# KiCad board demomatrix.kicad_pcb (continued)
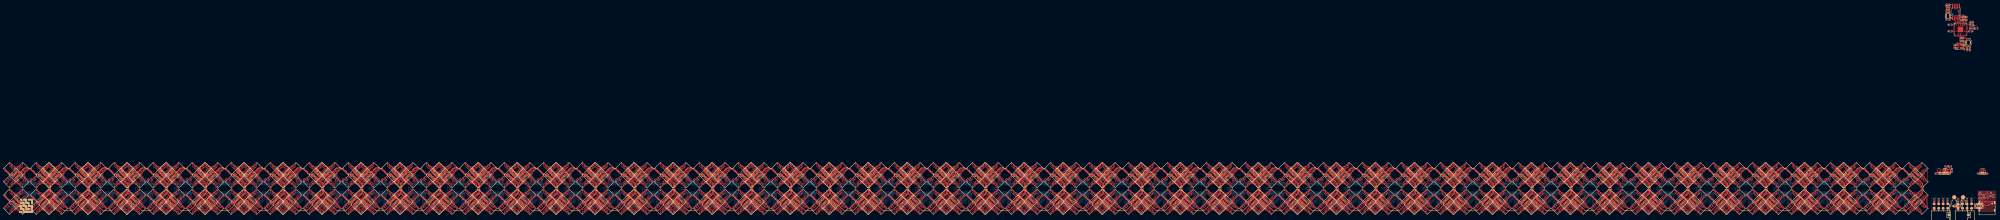
[diagram p0: board, top side]
## Routing (per net, layer and track width the routed paths; a pad name or vN(x,y) marks a point on that pad's centre or on a via; arc(x,y) is an arc through that point) (continued)
rgbs[3]-anodes-anode-53: length 12.8
  Top w0.2: LED199.1 -995.28,14.06 -995.28,14.1 -995.15,14.23 -995.22,14.31 -995.22,15.7 -997.37,17.85 -997.95,17.85 -998.64,17.17 -998.74,17.17 -999.43,17.85 -1000.01,17.85 -1000.8,17.06 -1000.8,17.05 -1000.86,16.99 -1000.86,16.99 -1002.16,15.7 -1002.16,14.12 LED200.2
rgbs[3]-anodes-anode-54: length 3.9
  Top w0.2: LED200.6 -1000.46,15.62 -999.26,15.62 -998.92,15.97 -998.46,15.97 -998.11,15.61 -997.12,15.61 LED199.5
rgbs[3]-anodes-anode-55: length 1.8
  Top w0.2: LED199.7 -997.9,16.53 -997.94,16.53 -998.11,16.37 -999.32,16.37 LED200.8
rgbs[3]-anodes-anode-56: length 9.5
  Top w0.2: LED203.3 -1011.13,-0.1 -1011.13,-0.07 -1010.98,0.08 -1010.98,0.89 -1012.54,2.45 -1012.79,2.45 -1013.47,1.77 -1013.91,1.77 -1014.59,2.45 -1014.84,2.45 -1015.4,1.89 -1015.4,1.88 -1015.69,1.59 -1015.7,1.59 -1016.43,0.87 -1016.43,0.08 LED204.4
rgbs[3]-anodes-anode-57: length 12.8
  Top w0.2: LED204.2 -1017.16,-0.88 -1017.16,0.7 -1015.86,1.99 -1015.86,1.99 -1015.8,2.05 -1015.8,2.06 -1015.01,2.85 -1014.43,2.85 -1013.74,2.17 -1013.64,2.17 -1012.95,2.85 -1012.37,2.85 -1010.22,0.7 -1010.22,-0.69 -1010.15,-0.77 -1010.28,-0.9 -1010.28,-0.94 LED203.1
rgbs[3]-anodes-anode-58: length 3.9
  Top w0.2: LED203.5 -1012.12,0.61 -1013.11,0.61 -1013.46,0.97 -1013.92,0.97 -1014.26,0.62 -1015.46,0.62 LED204.6
rgbs[3]-anodes-anode-59: length 1.8
  Top w0.2: LED204.8 -1014.32,1.37 -1013.11,1.37 -1012.94,1.53 -1012.9,1.53 LED203.7
rgbs[3]-anodes-anode-60: length 9.5
  Top w0.2: LED208.4 -1001.43,0.08 -1001.43,0.87 -1000.7,1.59 -1000.69,1.59 -1000.4,1.88 -1000.4,1.89 -999.84,2.45 -999.59,2.45 -998.91,1.77 -998.47,1.77 -997.79,2.45 -997.54,2.45 -995.98,0.89 -995.98,0.08 -996.13,-0.07 -996.13,-0.1 LED207.3
rgbs[3]-anodes-anode-61: length 12.8
  Top w0.2: LED207.1 -995.28,-0.94 -995.28,-0.9 -995.15,-0.77 -995.22,-0.69 -995.22,0.7 -997.37,2.85 -997.95,2.85 -998.64,2.17 -998.74,2.17 -999.43,2.85 -1000.01,2.85 -1000.8,2.06 -1000.8,2.05 -1000.86,1.99 -1000.86,1.99 -1002.16,0.7 -1002.16,-0.88 LED208.2
rgbs[3]-anodes-anode-62: length 3.9
  Top w0.2: LED208.6 -1000.46,0.62 -999.26,0.62 -998.92,0.97 -998.46,0.97 -998.11,0.61 -997.12,0.61 LED207.5
rgbs[3]-anodes-anode-63: length 1.8
  Top w0.2: LED208.8 -999.32,1.37 -998.11,1.37 -997.94,1.53 -997.9,1.53 LED207.7
rgbs[3]-anodes-anode-64: length 9.5
  Top w0.2: LED212.4 -994.43,15.08 -994.43,15.87 -993.7,16.59 -993.69,16.59 -993.4,16.88 -993.4,16.89 -992.84,17.45 -992.59,17.45 -991.91,16.77 -991.47,16.77 -990.79,17.45 -990.54,17.45 -988.98,15.89 -988.98,15.08 -989.13,14.93 -989.13,14.9 LED211.3
rgbs[3]-anodes-anode-65: length 12.8
  Top w0.2: LED211.1 -988.28,14.06 -988.28,14.1 -988.15,14.23 -988.22,14.31 -988.22,15.7 -990.37,17.85 -990.95,17.85 -991.64,17.17 -991.74,17.17 -992.43,17.85 -993.01,17.85 -993.8,17.06 -993.8,17.05 -993.86,16.99 -993.86,16.99 -995.16,15.7 -995.16,14.12 LED212.2
rgbs[3]-anodes-anode-66: length 3.9
  Top w0.2: LED211.5 -990.12,15.61 -991.11,15.61 -991.46,15.97 -991.92,15.97 -992.26,15.62 -993.46,15.62 LED212.6
rgbs[3]-anodes-anode-67: length 1.8
  Top w0.2: LED211.7 -990.9,16.53 -990.94,16.53 -991.11,16.37 -992.32,16.37 LED212.8
rgbs[3]-anodes-anode-68: length 9.5
  Top w0.2: LED215.3 -974.13,14.9 -974.13,14.93 -973.98,15.08 -973.98,15.89 -975.54,17.45 -975.79,17.45 -976.47,16.77 -976.91,16.77 -977.59,17.45 -977.84,17.45 -978.4,16.89 -978.4,16.88 -978.69,16.59 -978.7,16.59 -979.43,15.87 -979.43,15.08 LED216.4
rgbs[3]-anodes-anode-69: length 12.8
  Top w0.2: LED216.2 -980.16,14.12 -980.16,15.7 -978.86,16.99 -978.86,16.99 -978.8,17.05 -978.8,17.06 -978.01,17.85 -977.43,17.85 -976.74,17.17 -976.64,17.17 -975.95,17.85 -975.37,17.85 -973.22,15.7 -973.22,14.31 -973.15,14.23 -973.28,14.1 -973.28,14.06 LED215.1
rgbs[3]-anodes-anode-70: length 3.9
  Top w0.2: LED215.5 -975.12,15.61 -976.11,15.61 -976.46,15.97 -976.92,15.97 -977.26,15.62 -978.46,15.62 LED216.6
rgbs[3]-anodes-anode-71: length 1.8
  Top w0.2: LED215.7 -975.9,16.53 -975.94,16.53 -976.11,16.37 -977.32,16.37 LED216.8
rgbs[3]-anodes-anode-72: length 9.5
  Top w0.2: LED220.4 -994.43,0.08 -994.43,0.87 -993.7,1.59 -993.69,1.59 -993.4,1.88 -993.4,1.89 -992.84,2.45 -992.59,2.45 -991.91,1.77 -991.47,1.77 -990.79,2.45 -990.54,2.45 -988.98,0.89 -988.98,0.08 -989.13,-0.07 -989.13,-0.1 LED219.3
rgbs[3]-anodes-anode-73: length 12.8
  Top w0.2: LED220.2 -995.16,-0.88 -995.16,0.7 -993.86,1.99 -993.86,1.99 -993.8,2.05 -993.8,2.06 -993.01,2.85 -992.43,2.85 -991.74,2.17 -991.64,2.17 -990.95,2.85 -990.37,2.85 -988.22,0.7 -988.22,-0.69 -988.15,-0.77 -988.28,-0.9 -988.28,-0.94 LED219.1
rgbs[3]-anodes-anode-74: length 3.9
  Top w0.2: LED220.6 -993.46,0.62 -992.26,0.62 -991.92,0.97 -991.46,0.97 -991.11,0.61 -990.12,0.61 LED219.5
rgbs[3]-anodes-anode-75: length 1.8
  Top w0.2: LED219.7 -990.9,1.53 -990.94,1.53 -991.11,1.37 -992.32,1.37 LED220.8
rgbs[3]-anodes-anode-76: length 9.5
  Top w0.2: LED224.4 -979.43,0.08 -979.43,0.87 -978.7,1.59 -978.69,1.59 -978.4,1.88 -978.4,1.89 -977.84,2.45 -977.59,2.45 -976.91,1.77 -976.47,1.77 -975.79,2.45 -975.54,2.45 -973.98,0.89 -973.98,0.08 -974.13,-0.07 -974.13,-0.1 LED223.3
rgbs[3]-anodes-anode-77: length 12.8
  Top w0.2: LED223.1 -973.28,-0.94 -973.28,-0.9 -973.15,-0.77 -973.22,-0.69 -973.22,0.7 -975.37,2.85 -975.95,2.85 -976.64,2.17 -976.74,2.17 -977.43,2.85 -978.01,2.85 -978.8,2.06 -978.8,2.05 -978.86,1.99 -978.86,1.99 -980.16,0.7 -980.16,-0.88 LED224.2
rgbs[3]-anodes-anode-78: length 3.9
  Top w0.2: LED224.6 -978.46,0.62 -977.26,0.62 -976.92,0.97 -976.46,0.97 -976.11,0.61 -975.12,0.61 LED223.5
rgbs[3]-anodes-anode-79: length 1.8
  Top w0.2: LED224.8 -977.32,1.37 -976.11,1.37 -975.94,1.53 -975.9,1.53 LED223.7
rgbs[3]-anodes-anode-80: length 9.5
  Top w0.2: LED228.4 -972.43,15.08 -972.43,15.87 -971.7,16.59 -971.69,16.59 -971.4,16.88 -971.4,16.89 -970.84,17.45 -970.59,17.45 -969.91,16.77 -969.47,16.77 -968.79,17.45 -968.54,17.45 -966.98,15.89 -966.98,15.08 -967.13,14.93 -967.13,14.9 LED227.3
rgbs[3]-anodes-anode-81: length 12.8
  Top w0.2: LED228.2 -973.16,14.12 -973.16,15.7 -971.86,16.99 -971.86,16.99 -971.8,17.05 -971.8,17.06 -971.01,17.85 -970.43,17.85 -969.74,17.17 -969.64,17.17 -968.95,17.85 -968.37,17.85 -966.22,15.7 -966.22,14.31 -966.15,14.23 -966.28,14.1 -966.28,14.06 LED227.1
rgbs[3]-anodes-anode-82: length 3.9
  Top w0.2: LED228.6 -971.46,15.62 -970.26,15.62 -969.92,15.97 -969.46,15.97 -969.11,15.61 -968.12,15.61 LED227.5
rgbs[3]-anodes-anode-83: length 1.8
  Top w0.2: LED227.7 -968.9,16.53 -968.94,16.53 -969.11,16.37 -970.32,16.37 LED228.8
rgbs[3]-anodes-anode-84: length 9.5
  Top w0.2: LED231.3 -952.13,14.9 -952.13,14.93 -951.98,15.08 -951.98,15.89 -953.54,17.45 -953.79,17.45 -954.47,16.77 -954.91,16.77 -955.59,17.45 -955.84,17.45 -956.4,16.89 -956.4,16.88 -956.69,16.59 -956.7,16.59 -957.43,15.87 -957.43,15.08 LED232.4
rgbs[3]-anodes-anode-85: length 12.8
  Top w0.2: LED231.1 -951.28,14.06 -951.28,14.1 -951.15,14.23 -951.22,14.31 -951.22,15.7 -953.37,17.85 -953.95,17.85 -954.64,17.17 -954.74,17.17 -955.43,17.85 -956.01,17.85 -956.8,17.06 -956.8,17.05 -956.86,16.99 -956.86,16.99 -958.16,15.7 -958.16,14.12 LED232.2
rgbs[3]-anodes-anode-86: length 3.9
  Top w0.2: LED232.6 -956.46,15.62 -955.26,15.62 -954.92,15.97 -954.46,15.97 -954.11,15.61 -953.12,15.61 LED231.5
rgbs[3]-anodes-anode-87: length 1.8
  Top w0.2: LED231.7 -953.9,16.53 -953.94,16.53 -954.11,16.37 -955.32,16.37 LED232.8
rgbs[3]-anodes-anode-88: length 9.5
  Top w0.2: LED236.4 -972.43,0.08 -972.43,0.87 -971.7,1.59 -971.69,1.59 -971.4,1.88 -971.4,1.89 -970.84,2.45 -970.59,2.45 -969.91,1.77 -969.47,1.77 -968.79,2.45 -968.54,2.45 -966.98,0.89 -966.98,0.08 -967.13,-0.07 -967.13,-0.1 LED235.3
rgbs[3]-anodes-anode-89: length 12.8
  Top w0.2: LED235.1 -966.28,-0.94 -966.28,-0.9 -966.15,-0.77 -966.22,-0.69 -966.22,0.7 -968.37,2.85 -968.95,2.85 -969.64,2.17 -969.74,2.17 -970.43,2.85 -971.01,2.85 -971.8,2.06 -971.8,2.05 -971.86,1.99 -971.86,1.99 -973.16,0.7 -973.16,-0.88 LED236.2
rgbs[3]-anodes-anode-90: length 3.9
  Top w0.2: LED235.5 -968.12,0.61 -969.11,0.61 -969.46,0.97 -969.92,0.97 -970.26,0.62 -971.46,0.62 LED236.6
rgbs[3]-anodes-anode-91: length 1.8
  Top w0.2: LED235.7 -968.9,1.53 -968.94,1.53 -969.11,1.37 -970.32,1.37 LED236.8
rgbs[3]-anodes-anode-92: length 9.5
  Top w0.2: LED240.4 -957.43,0.08 -957.43,0.87 -956.7,1.59 -956.69,1.59 -956.4,1.88 -956.4,1.89 -955.84,2.45 -955.59,2.45 -954.91,1.77 -954.47,1.77 -953.79,2.45 -953.54,2.45 -951.98,0.89 -951.98,0.08 -952.13,-0.07 -952.13,-0.1 LED239.3
rgbs[3]-anodes-anode-93: length 12.8
  Top w0.2: LED239.1 -951.28,-0.94 -951.28,-0.9 -951.15,-0.77 -951.22,-0.69 -951.22,0.7 -953.37,2.85 -953.95,2.85 -954.64,2.17 -954.74,2.17 -955.43,2.85 -956.01,2.85 -956.8,2.06 -956.8,2.05 -956.86,1.99 -956.86,1.99 -958.16,0.7 -958.16,-0.88 LED240.2
rgbs[3]-anodes-anode-94: length 3.9
  Top w0.2: LED239.5 -953.12,0.61 -954.11,0.61 -954.46,0.97 -954.92,0.97 -955.26,0.62 -956.46,0.62 LED240.6
rgbs[3]-anodes-anode-95: length 1.8
  Top w0.2: LED240.8 -955.32,1.37 -954.11,1.37 -953.94,1.53 -953.9,1.53 LED239.7
rgbs[3]-anodes-anode-96: length 9.5
  Top w0.2: LED244.4 -950.43,15.08 -950.43,15.87 -949.7,16.59 -949.69,16.59 -949.4,16.88 -949.4,16.89 -948.84,17.45 -948.59,17.45 -947.91,16.77 -947.47,16.77 -946.79,17.45 -946.54,17.45 -944.98,15.89 -944.98,15.08 -945.13,14.93 -945.13,14.9 LED243.3
rgbs[3]-anodes-anode-97: length 12.8
  Top w0.2: LED244.2 -951.16,14.12 -951.16,15.7 -949.86,16.99 -949.86,16.99 -949.8,17.05 -949.8,17.06 -949.01,17.85 -948.43,17.85 -947.74,17.17 -947.64,17.17 -946.95,17.85 -946.37,17.85 -944.22,15.7 -944.22,14.31 -944.15,14.23 -944.28,14.1 -944.28,14.06 LED243.1
rgbs[3]-anodes-anode-98: length 3.9
  Top w0.2: LED244.6 -949.46,15.62 -948.26,15.62 -947.92,15.97 -947.46,15.97 -947.11,15.61 -946.12,15.61 LED243.5
rgbs[3]-anodes-anode-99: length 1.8
  Top w0.2: LED244.8 -948.32,16.37 -947.11,16.37 -946.94,16.53 -946.9,16.53 LED243.7
rgbs[3]-anodes-anode-100: length 9.5
  Top w0.2: LED247.3 -930.13,14.9 -930.13,14.93 -929.98,15.08 -929.98,15.89 -931.54,17.45 -931.79,17.45 -932.47,16.77 -932.91,16.77 -933.59,17.45 -933.84,17.45 -934.4,16.89 -934.4,16.88 -934.69,16.59 -934.7,16.59 -935.43,15.87 -935.43,15.08 LED248.4
rgbs[3]-anodes-anode-101: length 12.8
  Top w0.2: LED248.2 -936.16,14.12 -936.16,15.7 -934.86,16.99 -934.86,16.99 -934.8,17.05 -934.8,17.06 -934.01,17.85 -933.43,17.85 -932.74,17.17 -932.64,17.17 -931.95,17.85 -931.37,17.85 -929.22,15.7 -929.22,14.31 -929.15,14.23 -929.28,14.1 -929.28,14.06 LED247.1
rgbs[3]-anodes-anode-102: length 3.9
  Top w0.2: LED248.6 -934.46,15.62 -933.26,15.62 -932.92,15.97 -932.46,15.97 -932.11,15.61 -931.12,15.61 LED247.5
rgbs[3]-anodes-anode-103: length 1.8
  Top w0.2: LED247.7 -931.9,16.53 -931.94,16.53 -932.11,16.37 -933.32,16.37 LED248.8
rgbs[3]-anodes-anode-104: length 9.5
  Top w0.2: LED251.3 -945.13,-0.1 -945.13,-0.07 -944.98,0.08 -944.98,0.89 -946.54,2.45 -946.79,2.45 -947.47,1.77 -947.91,1.77 -948.59,2.45 -948.84,2.45 -949.4,1.89 -949.4,1.88 -949.69,1.59 -949.7,1.59 -950.43,0.87 -950.43,0.08 LED252.4
rgbs[3]-anodes-anode-105: length 12.8
  Top w0.2: LED251.1 -944.28,-0.94 -944.28,-0.9 -944.15,-0.77 -944.22,-0.69 -944.22,0.7 -946.37,2.85 -946.95,2.85 -947.64,2.17 -947.74,2.17 -948.43,2.85 -949.01,2.85 -949.8,2.06 -949.8,2.05 -949.86,1.99 -949.86,1.99 -951.16,0.7 -951.16,-0.88 LED252.2
rgbs[3]-anodes-anode-106: length 3.9
  Top w0.2: LED252.6 -949.46,0.62 -948.26,0.62 -947.92,0.97 -947.46,0.97 -947.11,0.61 -946.12,0.61 LED251.5
rgbs[3]-anodes-anode-107: length 1.8
  Top w0.2: LED251.7 -946.9,1.53 -946.94,1.53 -947.11,1.37 -948.32,1.37 LED252.8
rgbs[3]-anodes-anode-108: length 9.5
  Top w0.2: LED255.3 -930.13,-0.1 -930.13,-0.07 -929.98,0.08 -929.98,0.89 -931.54,2.45 -931.79,2.45 -932.47,1.77 -932.91,1.77 -933.59,2.45 -933.84,2.45 -934.4,1.89 -934.4,1.88 -934.69,1.59 -934.7,1.59 -935.43,0.87 -935.43,0.08 LED256.4
rgbs[3]-anodes-anode-109: length 12.8
  Top w0.2: LED256.2 -936.16,-0.88 -936.16,0.7 -934.86,1.99 -934.86,1.99 -934.8,2.05 -934.8,2.06 -934.01,2.85 -933.43,2.85 -932.74,2.17 -932.64,2.17 -931.95,2.85 -931.37,2.85 -929.22,0.7 -929.22,-0.69 -929.15,-0.77 -929.28,-0.9 -929.28,-0.94 LED255.1
rgbs[3]-anodes-anode-110: length 3.9
  Top w0.2: LED255.5 -931.12,0.61 -932.11,0.61 -932.46,0.97 -932.92,0.97 -933.26,0.62 -934.46,0.62 LED256.6
rgbs[3]-anodes-anode-111: length 1.8
  Top w0.2: LED255.7 -931.9,1.53 -931.94,1.53 -932.11,1.37 -933.32,1.37 LED256.8
rgbs[3]-anodes-anode-112: length 9.5
  Top w0.2: LED260.4 -928.43,15.08 -928.43,15.87 -927.7,16.59 -927.69,16.59 -927.4,16.88 -927.4,16.89 -926.84,17.45 -926.59,17.45 -925.91,16.77 -925.47,16.77 -924.79,17.45 -924.54,17.45 -922.98,15.89 -922.98,15.08 -923.13,14.93 -923.13,14.9 LED259.3
rgbs[3]-anodes-anode-113: length 12.8
  Top w0.2: LED259.1 -922.28,14.06 -922.28,14.1 -922.15,14.23 -922.22,14.31 -922.22,15.7 -924.37,17.85 -924.95,17.85 -925.64,17.17 -925.74,17.17 -926.43,17.85 -927.01,17.85 -927.8,17.06 -927.8,17.05 -927.86,16.99 -927.86,16.99 -929.16,15.7 -929.16,14.12 LED260.2
rgbs[3]-anodes-anode-114: length 3.9
  Top w0.2: LED259.5 -924.12,15.61 -925.11,15.61 -925.46,15.97 -925.92,15.97 -926.26,15.62 -927.46,15.62 LED260.6
rgbs[3]-anodes-anode-115: length 1.8
  Top w0.2: LED259.7 -924.9,16.53 -924.94,16.53 -925.11,16.37 -926.32,16.37 LED260.8
rgbs[3]-anodes-anode-116: length 9.5
  Top w0.2: LED263.3 -908.13,14.9 -908.13,14.93 -907.98,15.08 -907.98,15.89 -909.54,17.45 -909.79,17.45 -910.47,16.77 -910.91,16.77 -911.59,17.45 -911.84,17.45 -912.4,16.89 -912.4,16.88 -912.69,16.59 -912.7,16.59 -913.43,15.87 -913.43,15.08 LED264.4
rgbs[3]-anodes-anode-117: length 12.8
  Top w0.2: LED264.2 -914.16,14.12 -914.16,15.7 -912.86,16.99 -912.86,16.99 -912.8,17.05 -912.8,17.06 -912.01,17.85 -911.43,17.85 -910.74,17.17 -910.64,17.17 -909.95,17.85 -909.37,17.85 -907.22,15.7 -907.22,14.31 -907.15,14.23 -907.28,14.1 -907.28,14.06 LED263.1
rgbs[3]-anodes-anode-118: length 3.9
  Top w0.2: LED264.6 -912.46,15.62 -911.26,15.62 -910.92,15.97 -910.46,15.97 -910.11,15.61 -909.12,15.61 LED263.5
rgbs[3]-anodes-anode-119: length 1.8
  Top w0.2: LED263.7 -909.9,16.53 -909.94,16.53 -910.11,16.37 -911.32,16.37 LED264.8
rgbs[3]-anodes-anode-120: length 9.5
  Top w0.2: LED267.3 -923.13,-0.1 -923.13,-0.07 -922.98,0.08 -922.98,0.89 -924.54,2.45 -924.79,2.45 -925.47,1.77 -925.91,1.77 -926.59,2.45 -926.84,2.45 -927.4,1.89 -927.4,1.88 -927.69,1.59 -927.7,1.59 -928.43,0.87 -928.43,0.08 LED268.4
rgbs[3]-anodes-anode-121: length 12.8
  Top w0.2: LED267.1 -922.28,-0.94 -922.28,-0.9 -922.15,-0.77 -922.22,-0.69 -922.22,0.7 -924.37,2.85 -924.95,2.85 -925.64,2.17 -925.74,2.17 -926.43,2.85 -927.01,2.85 -927.8,2.06 -927.8,2.05 -927.86,1.99 -927.86,1.99 -929.16,0.7 -929.16,-0.88 LED268.2
rgbs[3]-anodes-anode-122: length 3.9
  Top w0.2: LED268.6 -927.46,0.62 -926.26,0.62 -925.92,0.97 -925.46,0.97 -925.11,0.61 -924.12,0.61 LED267.5
rgbs[3]-anodes-anode-123: length 1.8
  Top w0.2: LED268.8 -926.32,1.37 -925.11,1.37 -924.94,1.53 -924.9,1.53 LED267.7
rgbs[3]-anodes-anode-124: length 9.5
  Top w0.2: LED272.4 -913.43,0.08 -913.43,0.87 -912.7,1.59 -912.69,1.59 -912.4,1.88 -912.4,1.89 -911.84,2.45 -911.59,2.45 -910.91,1.77 -910.47,1.77 -909.79,2.45 -909.54,2.45 -907.98,0.89 -907.98,0.08 -908.13,-0.07 -908.13,-0.1 LED271.3
rgbs[3]-anodes-anode-125: length 12.8
  Top w0.2: LED271.1 -907.28,-0.94 -907.28,-0.9 -907.15,-0.77 -907.22,-0.69 -907.22,0.7 -909.37,2.85 -909.95,2.85 -910.64,2.17 -910.74,2.17 -911.43,2.85 -912.01,2.85 -912.8,2.06 -912.8,2.05 -912.86,1.99 -912.86,1.99 -914.16,0.7 -914.16,-0.88 LED272.2
rgbs[3]-anodes-anode-126: length 3.9
  Top w0.2: LED271.5 -909.12,0.61 -910.11,0.61 -910.46,0.97 -910.92,0.97 -911.26,0.62 -912.46,0.62 LED272.6
rgbs[3]-anodes-anode-127: length 1.8
  Top w0.2: LED271.7 -909.9,1.53 -909.94,1.53 -910.11,1.37 -911.32,1.37 LED272.8
rgbs[3]-anodes-anode-128: length 9.5
  Top w0.2: LED275.3 -901.13,14.9 -901.13,14.93 -900.98,15.08 -900.98,15.89 -902.54,17.45 -902.79,17.45 -903.47,16.77 -903.91,16.77 -904.59,17.45 -904.84,17.45 -905.4,16.89 -905.4,16.88 -905.69,16.59 -905.7,16.59 -906.43,15.87 -906.43,15.08 LED276.4
rgbs[3]-anodes-anode-129: length 12.8
  Top w0.2: LED276.2 -907.16,14.12 -907.16,15.7 -905.86,16.99 -905.86,16.99 -905.8,17.05 -905.8,17.06 -905.01,17.85 -904.43,17.85 -903.74,17.17 -903.64,17.17 -902.95,17.85 -902.37,17.85 -900.22,15.7 -900.22,14.31 -900.15,14.23 -900.28,14.1 -900.28,14.06 LED275.1
rgbs[3]-anodes-anode-130: length 3.9
  Top w0.2: LED275.5 -902.12,15.61 -903.11,15.61 -903.46,15.97 -903.92,15.97 -904.26,15.62 -905.46,15.62 LED276.6
rgbs[3]-anodes-anode-131: length 1.8
  Top w0.2: LED276.8 -904.32,16.37 -903.11,16.37 -902.94,16.53 -902.9,16.53 LED275.7
rgbs[3]-anodes-anode-132: length 9.5
  Top w0.2: LED280.4 -891.43,15.08 -891.43,15.87 -890.7,16.59 -890.69,16.59 -890.4,16.88 -890.4,16.89 -889.84,17.45 -889.59,17.45 -888.91,16.77 -888.47,16.77 -887.79,17.45 -887.54,17.45 -885.98,15.89 -885.98,15.08 -886.13,14.93 -886.13,14.9 LED279.3
rgbs[3]-anodes-anode-133: length 12.8
  Top w0.2: LED280.2 -892.16,14.12 -892.16,15.7 -890.86,16.99 -890.86,16.99 -890.8,17.05 -890.8,17.06 -890.01,17.85 -889.43,17.85 -888.74,17.17 -888.64,17.17 -887.95,17.85 -887.37,17.85 -885.22,15.7 -885.22,14.31 -885.15,14.23 -885.28,14.1 -885.28,14.06 LED279.1
rgbs[3]-anodes-anode-134: length 3.9
  Top w0.2: LED279.5 -887.12,15.61 -888.11,15.61 -888.46,15.97 -888.92,15.97 -889.26,15.62 -890.46,15.62 LED280.6
rgbs[3]-anodes-anode-135: length 1.8
  Top w0.2: LED280.8 -889.32,16.37 -888.11,16.37 -887.94,16.53 -887.9,16.53 LED279.7
rgbs[3]-anodes-anode-136: length 9.5
  Top w0.2: LED284.4 -906.43,0.08 -906.43,0.87 -905.7,1.59 -905.69,1.59 -905.4,1.88 -905.4,1.89 -904.84,2.45 -904.59,2.45 -903.91,1.77 -903.47,1.77 -902.79,2.45 -902.54,2.45 -900.98,0.89 -900.98,0.08 -901.13,-0.07 -901.13,-0.1 LED283.3
rgbs[3]-anodes-anode-137: length 12.8
  Top w0.2: LED284.2 -907.16,-0.88 -907.16,0.7 -905.86,1.99 -905.86,1.99 -905.8,2.05 -905.8,2.06 -905.01,2.85 -904.43,2.85 -903.74,2.17 -903.64,2.17 -902.95,2.85 -902.37,2.85 -900.22,0.7 -900.22,-0.69 -900.15,-0.77 -900.28,-0.9 -900.28,-0.94 LED283.1
rgbs[3]-anodes-anode-138: length 3.9
  Top w0.2: LED283.5 -902.12,0.61 -903.11,0.61 -903.46,0.97 -903.92,0.97 -904.26,0.62 -905.46,0.62 LED284.6
rgbs[3]-anodes-anode-139: length 1.8
  Top w0.2: LED284.8 -904.32,1.37 -903.11,1.37 -902.94,1.53 -902.9,1.53 LED283.7
rgbs[3]-anodes-anode-140: length 9.5
  Top w0.2: LED288.4 -891.43,0.08 -891.43,0.87 -890.7,1.59 -890.69,1.59 -890.4,1.88 -890.4,1.89 -889.84,2.45 -889.59,2.45 -888.91,1.77 -888.47,1.77 -887.79,2.45 -887.54,2.45 -885.98,0.89 -885.98,0.08 -886.13,-0.07 -886.13,-0.1 LED287.3
rgbs[3]-anodes-anode-141: length 12.8
  Top w0.2: LED287.1 -885.28,-0.94 -885.28,-0.9 -885.15,-0.77 -885.22,-0.69 -885.22,0.7 -887.37,2.85 -887.95,2.85 -888.64,2.17 -888.74,2.17 -889.43,2.85 -890.01,2.85 -890.8,2.06 -890.8,2.05 -890.86,1.99 -890.86,1.99 -892.16,0.7 -892.16,-0.88 LED288.2
rgbs[3]-anodes-anode-142: length 3.9
  Top w0.2: LED288.6 -890.46,0.62 -889.26,0.62 -888.92,0.97 -888.46,0.97 -888.11,0.61 -887.12,0.61 LED287.5
rgbs[3]-anodes-anode-143: length 1.8
  Top w0.2: LED287.7 -887.9,1.53 -887.94,1.53 -888.11,1.37 -889.32,1.37 LED288.8
rgbs[3]-anodes-anode-144: length 9.5
  Top w0.2: LED292.4 -884.43,15.08 -884.43,15.87 -883.7,16.59 -883.69,16.59 -883.4,16.88 -883.4,16.89 -882.84,17.45 -882.59,17.45 -881.91,16.77 -881.47,16.77 -880.79,17.45 -880.54,17.45 -878.98,15.89 -878.98,15.08 -879.13,14.93 -879.13,14.9 LED291.3
rgbs[3]-anodes-anode-145: length 12.8
  Top w0.2: LED292.2 -885.16,14.12 -885.16,15.7 -883.86,16.99 -883.86,16.99 -883.8,17.05 -883.8,17.06 -883.01,17.85 -882.43,17.85 -881.74,17.17 -881.64,17.17 -880.95,17.85 -880.37,17.85 -878.22,15.7 -878.22,14.31 -878.15,14.23 -878.28,14.1 -878.28,14.06 LED291.1
rgbs[3]-anodes-anode-146: length 3.9
  Top w0.2: LED291.5 -880.12,15.61 -881.11,15.61 -881.46,15.97 -881.92,15.97 -882.26,15.62 -883.46,15.62 LED292.6
rgbs[3]-anodes-anode-147: length 1.8
  Top w0.2: LED291.7 -880.9,16.53 -880.94,16.53 -881.11,16.37 -882.32,16.37 LED292.8
rgbs[3]-anodes-anode-148: length 9.5
  Top w0.2: LED295.3 -864.13,14.9 -864.13,14.93 -863.98,15.08 -863.98,15.89 -865.54,17.45 -865.79,17.45 -866.47,16.77 -866.91,16.77 -867.59,17.45 -867.84,17.45 -868.4,16.89 -868.4,16.88 -868.69,16.59 -868.7,16.59 -869.43,15.87 -869.43,15.08 LED296.4
rgbs[3]-anodes-anode-149: length 12.8
  Top w0.2: LED296.2 -870.16,14.12 -870.16,15.7 -868.86,16.99 -868.86,16.99 -868.8,17.05 -868.8,17.06 -868.01,17.85 -867.43,17.85 -866.74,17.17 -866.64,17.17 -865.95,17.85 -865.37,17.85 -863.22,15.7 -863.22,14.31 -863.15,14.23 -863.28,14.1 -863.28,14.06 LED295.1
rgbs[3]-anodes-anode-150: length 3.9
  Top w0.2: LED296.6 -868.46,15.62 -867.26,15.62 -866.92,15.97 -866.46,15.97 -866.11,15.61 -865.12,15.61 LED295.5
rgbs[3]-anodes-anode-151: length 1.8
  Top w0.2: LED296.8 -867.32,16.37 -866.11,16.37 -865.94,16.53 -865.9,16.53 LED295.7
rgbs[3]-anodes-anode-152: length 9.5
  Top w0.2: LED300.4 -884.43,0.08 -884.43,0.87 -883.7,1.59 -883.69,1.59 -883.4,1.88 -883.4,1.89 -882.84,2.45 -882.59,2.45 -881.91,1.77 -881.47,1.77 -880.79,2.45 -880.54,2.45 -878.98,0.89 -878.98,0.08 -879.13,-0.07 -879.13,-0.1 LED299.3
rgbs[3]-anodes-anode-153: length 12.8
  Top w0.2: LED299.1 -878.28,-0.94 -878.28,-0.9 -878.15,-0.77 -878.22,-0.69 -878.22,0.7 -880.37,2.85 -880.95,2.85 -881.64,2.17 -881.74,2.17 -882.43,2.85 -883.01,2.85 -883.8,2.06 -883.8,2.05 -883.86,1.99 -883.86,1.99 -885.16,0.7 -885.16,-0.88 LED300.2
rgbs[3]-anodes-anode-154: length 3.9
  Top w0.2: LED300.6 -883.46,0.62 -882.26,0.62 -881.92,0.97 -881.46,0.97 -881.11,0.61 -880.12,0.61 LED299.5
rgbs[3]-anodes-anode-155: length 1.8
  Top w0.2: LED299.7 -880.9,1.53 -880.94,1.53 -881.11,1.37 -882.32,1.37 LED300.8
rgbs[3]-anodes-anode-156: length 9.5
  Top w0.2: LED303.3 -864.13,-0.1 -864.13,-0.07 -863.98,0.08 -863.98,0.89 -865.54,2.45 -865.79,2.45 -866.47,1.77 -866.91,1.77 -867.59,2.45 -867.84,2.45 -868.4,1.89 -868.4,1.88 -868.69,1.59 -868.7,1.59 -869.43,0.87 -869.43,0.08 LED304.4
rgbs[3]-anodes-anode-157: length 12.8
  Top w0.2: LED304.2 -870.16,-0.88 -870.16,0.7 -868.86,1.99 -868.86,1.99 -868.8,2.05 -868.8,2.06 -868.01,2.85 -867.43,2.85 -866.74,2.17 -866.64,2.17 -865.95,2.85 -865.37,2.85 -863.22,0.7 -863.22,-0.69 -863.15,-0.77 -863.28,-0.9 -863.28,-0.94 LED303.1
rgbs[3]-anodes-anode-158: length 3.9
  Top w0.2: LED303.5 -865.12,0.61 -866.11,0.61 -866.46,0.97 -866.92,0.97 -867.26,0.62 -868.46,0.62 LED304.6
rgbs[3]-anodes-anode-159: length 1.8
  Top w0.2: LED304.8 -867.32,1.37 -866.11,1.37 -865.94,1.53 -865.9,1.53 LED303.7
rgbs[3]-anodes-anode-160: length 9.5
  Top w0.2: LED307.3 -857.13,14.9 -857.13,14.93 -856.98,15.08 -856.98,15.89 -858.54,17.45 -858.79,17.45 -859.47,16.77 -859.91,16.77 -860.59,17.45 -860.84,17.45 -861.4,16.89 -861.4,16.88 -861.69,16.59 -861.7,16.59 -862.43,15.87 -862.43,15.08 LED308.4
rgbs[3]-anodes-anode-161: length 12.8
  Top w0.2: LED307.1 -856.28,14.06 -856.28,14.1 -856.15,14.23 -856.22,14.31 -856.22,15.7 -858.37,17.85 -858.95,17.85 -859.64,17.17 -859.74,17.17 -860.43,17.85 -861.01,17.85 -861.8,17.06 -861.8,17.05 -861.86,16.99 -861.86,16.99 -863.16,15.7 -863.16,14.12 LED308.2
rgbs[3]-anodes-anode-162: length 3.9
  Top w0.2: LED307.5 -858.12,15.61 -859.11,15.61 -859.46,15.97 -859.92,15.97 -860.26,15.62 -861.46,15.62 LED308.6
rgbs[3]-anodes-anode-163: length 1.8
  Top w0.2: LED307.7 -858.9,16.53 -858.94,16.53 -859.11,16.37 -860.32,16.37 LED308.8
rgbs[3]-anodes-anode-164: length 9.5
  Top w0.2: LED311.3 -842.13,14.9 -842.13,14.93 -841.98,15.08 -841.98,15.89 -843.54,17.45 -843.79,17.45 -844.47,16.77 -844.91,16.77 -845.59,17.45 -845.84,17.45 -846.4,16.89 -846.4,16.88 -846.69,16.59 -846.7,16.59 -847.43,15.87 -847.43,15.08 LED312.4
rgbs[3]-anodes-anode-165: length 12.8
  Top w0.2: LED312.2 -848.16,14.12 -848.16,15.7 -846.86,16.99 -846.86,16.99 -846.8,17.05 -846.8,17.06 -846.01,17.85 -845.43,17.85 -844.74,17.17 -844.64,17.17 -843.95,17.85 -843.37,17.85 -841.22,15.7 -841.22,14.31 -841.15,14.23 -841.28,14.1 -841.28,14.06 LED311.1
rgbs[3]-anodes-anode-166: length 3.9
  Top w0.2: LED312.6 -846.46,15.62 -845.26,15.62 -844.92,15.97 -844.46,15.97 -844.11,15.61 -843.12,15.61 LED311.5
rgbs[3]-anodes-anode-167: length 1.8
  Top w0.2: LED312.8 -845.32,16.37 -844.11,16.37 -843.94,16.53 -843.9,16.53 LED311.7
rgbs[3]-anodes-anode-168: length 9.5
  Top w0.2: LED316.4 -862.43,0.08 -862.43,0.87 -861.7,1.59 -861.69,1.59 -861.4,1.88 -861.4,1.89 -860.84,2.45 -860.59,2.45 -859.91,1.77 -859.47,1.77 -858.79,2.45 -858.54,2.45 -856.98,0.89 -856.98,0.08 -857.13,-0.07 -857.13,-0.1 LED315.3
rgbs[3]-anodes-anode-169: length 12.8
  Top w0.2: LED315.1 -856.28,-0.94 -856.28,-0.9 -856.15,-0.77 -856.22,-0.69 -856.22,0.7 -858.37,2.85 -858.95,2.85 -859.64,2.17 -859.74,2.17 -860.43,2.85 -861.01,2.85 -861.8,2.06 -861.8,2.05 -861.86,1.99 -861.86,1.99 -863.16,0.7 -863.16,-0.88 LED316.2
rgbs[3]-anodes-anode-170: length 3.9
  Top w0.2: LED316.6 -861.46,0.62 -860.26,0.62 -859.92,0.97 -859.46,0.97 -859.11,0.61 -858.12,0.61 LED315.5
